# Allegro board reComputer Industrial J201_V1.2.brd (continued)
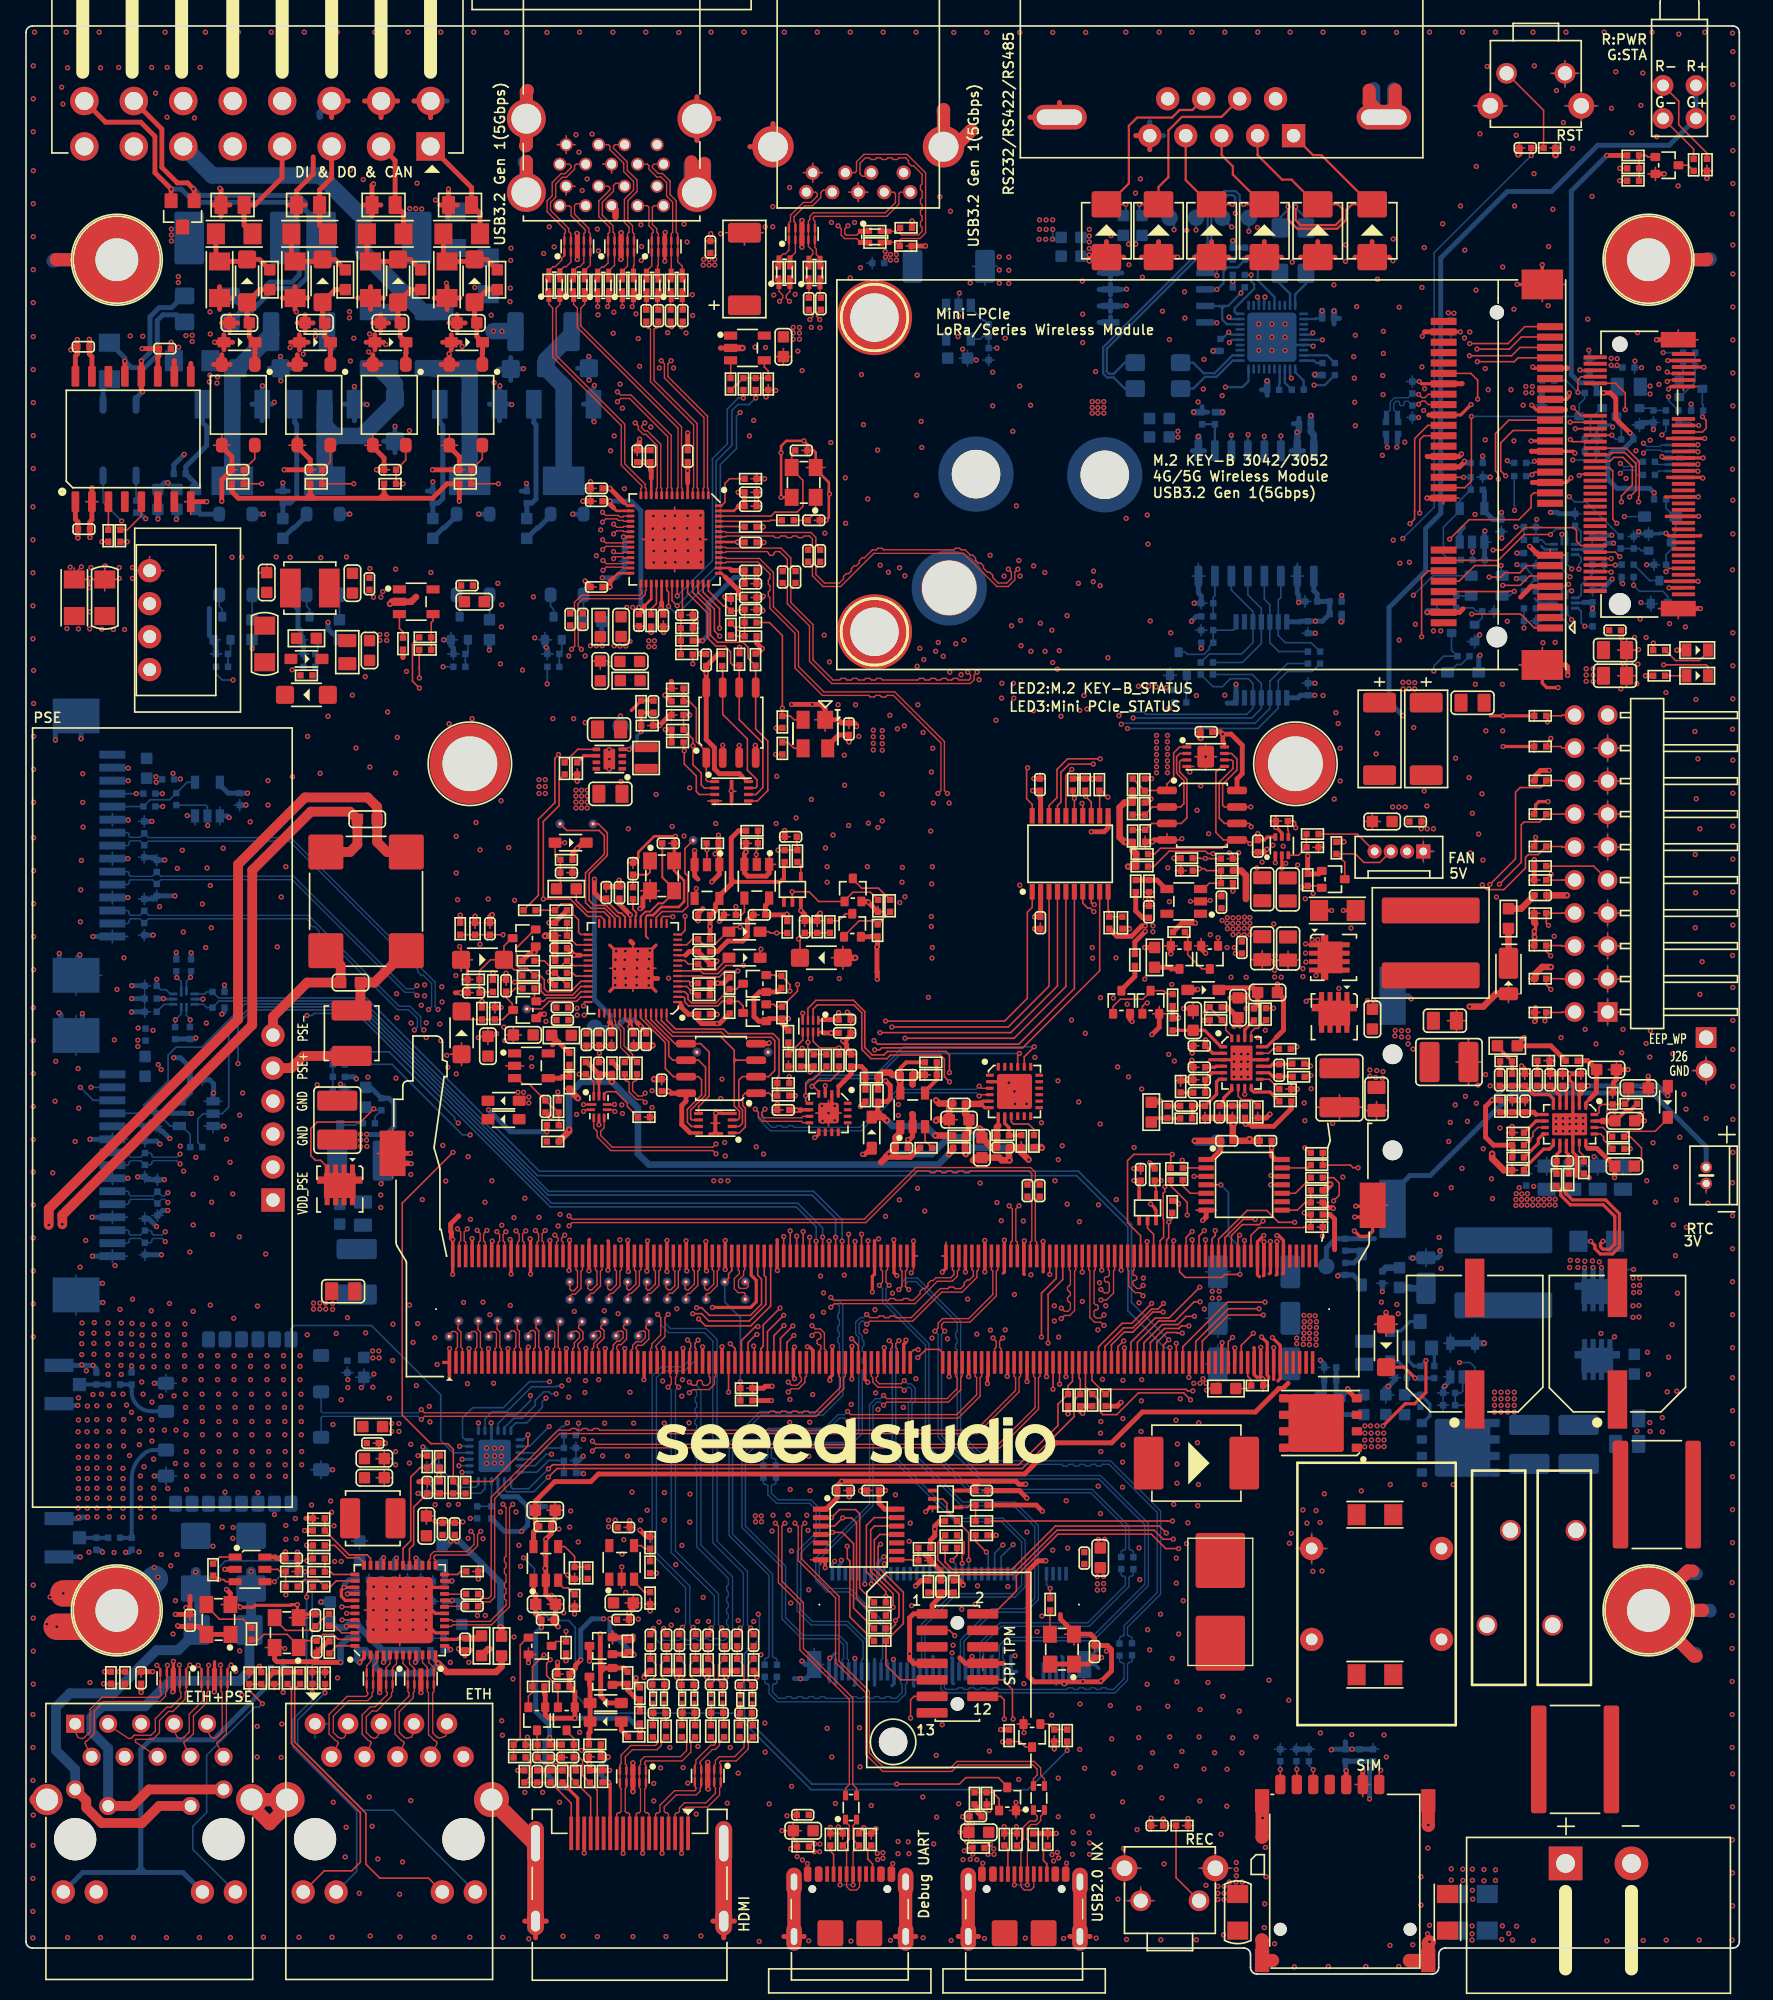
[diagram p0: board, top side]
## Routing (per net, layer and track width the routed paths; a pad name or vN(x,y) marks a point on that pad's centre or on a via; arc(x,y) is an arc through that point) (continued)
  TOP w0.508: C121.2 v1(48.39,68.9) ; C90.2 R125.2 40.01,79.96 v1(39.98,79.93) ; C90.2 40.73,79.01 ; C90.2 v1(40.76,78.51) R129.2 ; R197.2 113.86,61.9 112.96,62.8 v1(112.96,63.16) ; v1(28.05,105.51) 28.21,105.67 U9.2 29.68,105.67 30.05,106.04 ; v1(42.52,67.43) 41.86,68.09 R168.2 ; C67.2 90.47,95.2 v1(90.5,95.17) ; 68.28,66.21 68.31,66.18 U52.2 ; v1(111.23,74.49) 112.27,74.49 113.26,75.48 D34.1 114.49,75.48 ; C81.2 v1(118.72,83.06) ; R415.2 68.31,69.24 C290.2 68.3,68.5 ; J4.16 45.42,135.86 45.42,135.3 ; v1(70.11,65.7) 70.19,65.78 C294.2 71.13,66.73 C295.2 70.36,67.03 v1(70.11,67.28) ; v1(114.96,140.11) 115.05,140.19 C1.2 ; v1(48.27,71.5) C109.2 46.82,71.5 C111.2 ; v1(117.48,77.54) 116.81,77.54 116.3,77.03 116.3,76.64 ; v1(117.83,140.06) 117.84,140.06 D1.1 ; R180.2 91.94,65.92 C134.2 R178.2 92.94,65.58 v1(93.04,65.48) 92.97,65.4 C299.1 94.14,64.16 v1(94.26,64.28) 94.39,64.16 C301.2 ; D32.1 v1(63.88,78.25) ; 116.29,80.89 116.2,80.98 D28.1 ; U5.2 v1(55.21,125.21) ; 72.95,62.66 73.16,62.86 C137.2 74.98,62.86 75.19,62.66 v1(75.77,62.66) 75.74,62.69 C302.2 76.66,63.64 R424.2 76.68,63.27 v1(77.25,62.71)
  GND02 w0.254: J8.1 121.85,75.02 ; J8.1 122.79,74.08 ; J8.1 121.85,73.14 ; J8.1 120.91,74.08 ; J8.3 121.85,77.56 ; J8.3 122.79,76.62 ; J8.3 120.91,76.62 ; J8.3 121.85,75.68 ; U10.1 10.61,108.06 ; U10.1 8.45,108.06 ; U10.1 9.53,109.14 ; J4.7 45.8,139.36 ; J4.7 45.12,140.04 ; J4.7 44.44,139.36 ; J4.7 45.12,138.68 ; 84.9,5.64 SW2.2 ; SW2.2 85.88,6.62 ; SW2.2 86.86,5.64 ; J8.7 122.79,81.7 ; J8.7 121.85,80.76 ; J8.7 121.85,82.64 ; J8.7 120.91,81.7 ; 63.39,137.21 J3.7 ; J3.7 64.85,137.21 ; J3.7 64.12,137.93 ; J3.7 64.12,136.48 ; 121.85,88.38 J8.13 ; J8.13 120.91,89.32 ; J8.13 121.85,90.26 ; J8.13 122.79,89.32 ; 90.45,8.14 SW2.3 ; SW2.3 92.81,8.14 ; SW2.3 91.63,6.97 ; SW2.3 91.63,9.32 ; SW1.4 121,143.86 ; SW1.4 119.82,145.03 ; SW1.4 119.82,142.68 ; SW1.4 118.64,143.86 ; J8.17 122.79,94.4 ; J8.17 121.85,93.46 ; J8.17 120.91,94.4 ; J8.17 121.85,95.34 ; J8.11 122.79,86.78 ; J8.11 121.85,85.84 ; J8.11 120.91,86.78 ; J8.11 121.85,87.72 ; 128.46,69.57 J26.2 ; J26.2 129.44,68.59 ; J26.2 129.44,70.54 ; SW1.2 118.57,147.33 ; SW1.2 118.57,145.38 ; SW1.2 117.59,146.36 ; SW1.2 119.55,146.36 ; 121.85,90.92 J8.15 ; J8.15 120.91,91.86 ; J8.15 121.85,92.8 ; J8.15 122.79,91.86 ; J4.13 42.3,137.66 ; J4.13 41.62,136.98 ; J4.13 40.94,137.66 ; J4.13 41.62,138.34 ; 121.85,78.22 J8.5 ; J8.5 122.79,79.16 ; J8.5 121.85,80.1 ; J8.5 120.91,79.16 ; 129.45,60.24 J12.1 128.82,60.87 ; J7.1 107.65,87.17 ; J7.1 108.38,86.44 ; J7.1 107.65,85.71 ; 84.63,6.97 SW2.4 ; SW2.4 85.81,8.14 ; SW2.4 84.63,9.32 ; 111.64,143.86 SW1.3 ; SW1.3 112.82,142.68 ; SW1.3 112.82,145.03 ; SW1.3 114,143.86 ; 45.12,135.48 J4.16 ; J4.16 45.12,136.84 ; J4.16 45.8,136.16 ; J4.16 44.44,136.16 ; L14.3 99.05,33.84 ; L14.3 97.97,32.77 ; L14.3 100.13,32.77 ; L14.3 99.05,31.69 ; 41.62,140.18 J4.4 ; J4.4 41.62,141.54 ; J4.4 40.94,140.86 ; J4.4 42.3,140.86 ; 60.62,137.98 J3.4 ; J3.4 61.35,138.71 ; J3.4 59.89,138.71 ; J3.4 60.62,139.43
  LAY3 w0.254: J4.13 42.3,137.66 ; J4.13 41.62,138.34 ; J4.13 41.62,136.98 ; J4.13 40.94,137.66 ; 121.85,75.68 J8.3 ; J8.3 121.85,77.56 ; J8.3 120.91,76.62 ; J8.3 122.79,76.62 ; 112.82,142.68 SW1.3 ; SW1.3 114,143.86 ; SW1.3 112.82,145.03 ; SW1.3 111.64,143.86 ; 64.12,136.48 J3.7 ; J3.7 63.39,137.21 ; J3.7 64.12,137.93 ; U10.1 10.61,108.06 ; U10.1 8.45,108.06 ; U10.1 9.53,109.14 ; SW2.4 84.63,9.32 ; SW2.4 85.81,8.14 ; SW2.4 84.63,6.97 ; 120.91,94.4 J8.17 ; J8.17 121.85,95.34 ; J8.17 122.79,94.4 ; J8.17 121.85,93.46 ; J7.1 108.38,86.44 ; J7.1 107.65,85.71 ; J7.1 107.65,87.17 ; J8.5 121.85,80.1 ; J8.5 121.85,78.22 ; J8.5 120.91,79.16 ; J8.5 122.79,79.16 ; 119.82,142.68 SW1.4 ; SW1.4 119.82,145.03 ; SW1.4 118.64,143.86 ; SW1.4 121,143.86 ; 129.45,60.24 J12.1 128.82,60.87 ; 120.91,86.78 J8.11 ; J8.11 121.85,87.72 ; J8.11 122.79,86.78 ; J8.11 121.85,85.84 ; 84.9,5.64 SW2.2 ; SW2.2 86.86,5.64 ; SW2.2 85.88,6.62 ; 121.85,73.14 J8.1 ; J8.1 121.85,75.02 ; J8.1 120.91,74.08 ; J8.1 122.79,74.08 ; 121.85,80.76 J8.7 ; J8.7 122.79,81.7 ; J8.7 121.85,82.64 ; J8.7 120.91,81.7 ; SW2.3 91.63,9.32 ; SW2.3 91.63,6.97 ; SW2.3 92.81,8.14 ; SW2.3 90.45,8.14 ; J3.4 61.35,138.71 ; J3.4 60.62,139.43 ; J3.4 59.89,138.71 ; J3.4 60.62,137.98 ; 128.46,69.57 J26.2 ; J26.2 129.44,70.54 ; J26.2 129.44,68.59 ; 120.91,91.86 J8.15 ; J8.15 121.85,90.92 ; J8.15 121.85,92.8 ; J8.15 122.79,91.86 ; 97.97,32.77 L14.3 ; L14.3 99.05,33.84 ; L14.3 99.05,31.69 ; L14.3 100.13,32.77 ; 117.59,146.36 SW1.2 ; SW1.2 118.57,145.38 ; SW1.2 118.57,147.33 ; SW1.2 119.55,146.36 ; 40.94,140.86 J4.4 ; J4.4 41.62,140.18 ; J4.4 42.3,140.86 ; J4.4 41.62,141.54 ; 121.85,88.38 J8.13 ; J8.13 121.85,90.26 ; J8.13 120.91,89.32 ; J8.13 122.79,89.32
  LAY4 w0.381: 120.78,81.7 J8.7 ; J8.7 121.85,80.63 ; J8.7 122.92,81.7 ; J8.7 121.85,82.76 ; J8.1 122.92,74.08 ; J8.1 121.85,73.01 ; J8.1 121.85,75.14 ; J8.1 120.78,74.08 ; L14.3 99.05,33.97 ; L14.3 97.85,32.77 ; L14.3 100.26,32.77 ; L14.3 99.05,31.56 ; J8.15 121.85,92.92 ; J8.15 121.85,90.79 ; J8.15 122.92,91.86 ; J8.15 120.78,91.86 ; 120.78,76.62 J8.3 ; J8.3 121.85,75.55 ; J8.3 122.92,76.62 ; J8.3 121.85,77.68 ; 129.45,60.11 J12.1 128.69,60.87 ; J8.5 122.92,79.16 ; J8.5 120.78,79.16 ; J8.5 121.85,78.09 ; J8.5 121.85,80.22 ; 117.46,146.36 SW1.2 ; SW1.2 118.57,145.25 ; SW1.2 119.68,146.36 ; J14.1 22.27,20.38 ; J14.1 23.38,19.27 ; J14.1 22.27,18.17 ; J14.1 21.17,19.27 ; SW2.3 92.94,8.14 ; SW2.3 90.32,8.14 ; SW2.3 91.63,9.45 ; SW2.3 91.63,6.84 ; 119.82,142.55 SW1.4 ; SW1.4 119.82,145.16 ; SW1.4 118.51,143.86 ; SW1.4 121.13,143.86 ; J8.11 121.85,87.84 ; J8.11 120.78,86.78 ; J8.11 121.85,85.71 ; J8.11 122.92,86.78 ; J8.13 122.92,89.32 ; J8.13 120.78,89.32 ; J8.13 121.85,90.38 ; J8.13 121.85,88.25 ; J8.17 121.85,95.46 ; J8.17 122.92,94.4 ; J8.17 121.85,93.33 ; J8.17 120.78,94.4 ; 108.51,86.44 J7.1 107.65,87.3 ; SW1.3 114.13,143.86 ; SW1.3 112.82,145.16 ; SW1.3 112.82,142.55 ; SW1.3 111.51,143.86 ; 129.44,68.46 J26.2 ; J26.2 129.44,70.67 ; J26.2 128.34,69.57 ; SW2.4 84.63,9.45 ; SW2.4 84.63,6.84 ; SW2.4 85.94,8.14 ; SW2.2 86.99,5.64 ; SW2.2 85.88,6.75 ; SW2.2 84.77,5.64
  BOTTOM w0.127: 90.11,103.48 R344.2 ; R344.2 90.54,103.05 ; R344.2 90.54,103.91 ; R344.2 90.97,103.48 ; 84.77,5.64 SW2.2 ; SW2.2 85.88,6.75 ; SW2.2 86.99,5.64 ; D82.1 9.59,61.38 ; D82.1 9.16,60.95 ; D82.1 9.16,61.81 ; J8.15 122.92,91.86 ; J8.15 121.85,90.79 ; J8.15 121.85,92.92 ; J8.15 120.78,91.86 ; J23.10 7.84,64.28 ; J23.10 6.66,64.76 ; J23.10 6.66,63.79 ; 123.03,61.52 C233.2 ; C233.2 122.16,62.21 ; C233.2 123.91,62.21 ; C233.2 123.03,62.89 ; R372.2 105.9,45.92 ; R372.2 105.47,46.35 ; R372.2 105.04,45.92 ; 116.77,120.39 C214.2 ; C214.2 117.2,120.82 ; C214.2 116.34,120.82 ; 9.11,79.57 D78.1 ; D78.1 8.68,80 ; D78.1 9.11,80.42 ; 30.91,30.22 C272.2 ; C272.2 31.34,30.65 ; C272.2 31.34,29.79 ; 91.82,45.54 C242.2 ; C242.2 91.82,48.43 ; C242.2 92.77,46.98 ; C242.2 90.88,46.98 ; SW2.4 84.63,9.45 ; SW2.4 85.94,8.14 ; SW2.4 84.63,6.84 ; 100.02,46.28 R369.2 ; R369.2 100.45,46.71 ; R369.2 99.59,46.71 ; D92.1 97.87,17.74 ; D92.1 97.44,17.31 ; D92.1 97.87,16.88 ; 115.9,104.19 C227.2 ; C227.2 116.33,103.76 ; C227.2 116.76,104.19 ; C227.2 116.33,104.62 ; 96.2,17.31 D93.1 ; D93.1 97.06,17.31 ; D93.1 96.63,16.88 ; D93.1 96.63,17.74 ; 3.86,73.78 J23.17 3.86,70.75 ; C238.2 91.82,55.52 ; C238.2 91.82,52.62 ; C238.2 90.88,54.07 ; C238.2 92.77,54.07 ; 121.09,61.52 C234.2 ; C234.2 121.09,62.89 ; C234.2 120.21,62.21 ; C234.2 121.96,62.21 ; C271.2 26.85,30.36 ; C271.2 26.42,29.93 ; C271.2 26.42,30.78 ; C221.2 120.66,111.05 ; C221.2 120.24,110.62 ; C221.2 120.66,110.19 ; J23.4 7.84,58.28 ; J23.4 6.66,58.76 ; J23.4 6.66,57.79 ; 121.85,73.01 J8.1 ; J8.1 120.78,74.08 ; J8.1 122.92,74.08 ; J8.1 121.85,75.14 ; 98.76,98.96 C229.2 ; C229.2 98.76,99.82 ; C229.2 98.33,99.39 ; 24.76,45.87 C243.2 ; C243.2 24.76,46.73 ; C243.2 24.33,46.3 ; C243.2 25.19,46.3 ; 14.64,101.22 R349.2 ; R349.2 14.21,101.64 ; R349.2 15.07,101.64 ; 21.37,101.22 R348.2 ; R348.2 21.8,101.64 ; R348.2 20.94,101.64 ; R319.1 119.78,112.44 ; R319.1 119.35,112.87 ; R319.1 119.35,112.01 ; C269.2 29.82,30.39 ; C269.2 28.96,30.39 ; C269.2 29.39,30.82 ; C269.2 29.39,29.96 ; U44.2 98.42,107.64 ; U44.2 97.47,107.64 ; U44.2 97.95,108.62 ; Q24.2 127.37,123.22 ; Q24.2 127.93,122.72 ; Q24.2 127.37,122.23 ; U44.8 90.33,108.62 ; U44.8 90.8,107.64 ; U44.8 89.85,107.64 ; 13.58,68.43 C297.2 13.58,69.29 ; C280.2 27.87,26.29 ; C280.2 27.44,25.86 ; C280.2 28.3,25.86 ; 26.85,27.05 C275.2 26.43,27.47 ; R383.2 30.88,37.45 ; R383.2 31.31,37.02 ; R383.2 30.88,36.59 ; 13.03,88.49 U55.3 12.53,89.17 ; C208.2 123.93,124.13 ; C208.2 124.35,123.7 ; C208.2 123.93,123.27 ; 29.98,30.39 C268.2 ; C268.2 30.41,30.82 ; C268.2 30.84,30.39 ; C268.2 30.41,29.96 ; 24.57,68.19 24.57,68.55 ; 10.79,37.67 U50.1 ; U50.1 10.79,39.03 ; U50.1 11.59,38.35 ; 125.38,119.9 R297.2 125.81,119.47 ; C244.2 26.65,45.95 ; C244.2 26.03,45.33 ; C244.2 26.03,46.57 ; C244.2 25.41,45.95 ; R381.2 30.88,39.48 ; R381.2 31.31,39.05 ; R381.2 30.45,39.05 ; R381.2 30.88,38.62 ; 8.68,82.78 D77.1 ; D77.1 9.11,83.21 ; D77.1 9.11,82.35 ; 27.96,30.39 C270.2 ; C270.2 28.38,29.96 ; C270.2 28.81,30.39 ; R305.2 121.44,118.19 ; R305.2 120.59,118.19 ; R305.2 121.01,117.77 ; 32.74,103.3 Q40.2 33.24,102.74 ; 91.82,49.04 C240.2 ; C240.2 92.77,50.49 ; C240.2 91.82,51.94 ; C240.2 90.88,50.49 ; 14.95,102.74 Q42.2 14.46,102.18 ; Q25.2 124.87,119.27 ; Q25.2 124.31,119.77 ; Q25.2 124.31,118.78 ; Q25.2 123.75,119.27 ; C266.2 26.33,33.33 ; C266.2 25.71,32.71 ; C266.2 25.08,33.33 ; C266.2 25.71,33.95 ; 80.7,23.3 J21.75 80.38,24.18 ; J20.16 3.86,78.42 ; J20.16 5.84,76.9 ; J20.16 3.86,75.38 ; SW1.2 119.68,146.36 ; SW1.2 117.46,146.36 ; SW1.2 118.57,145.25 ; v1(27.36,60.85) 27.48,60.98 L34.1 29.42,62.63 29.65,62.4 v1(29.67,62.4) ; 72.54,123.8 C207.2 ; C207.2 73.16,124.43 ; C207.2 72.54,125.05 ; C207.2 71.92,124.43 ; 120.26,106.55 C224.2 ; C224.2 120.69,106.98 ; C224.2 120.69,106.12 ; 26.43,28.91 C273.2 ; C273.2 26.43,29.77 ; C273.2 26.86,29.34 ; Q49.2 25.37,67.15 ; Q49.2 24.87,66.59 ; Q49.2 24.38,67.15 ; U49.4 109.73,49.26 ; U49.4 109.73,47.89 ; U49.4 109.24,48.57 ; 6.66,83.37 J20.4 6.66,82.4 ; 111.61,102.1 Q48.2 111.05,102.6 ; J8.5 121.85,80.22 ; J8.5 120.78,79.16 ; J8.5 121.85,78.09 ; J8.5 122.92,79.16 ; 113.12,104.49 R388.1 ; R388.1 112.69,104.92 ; R388.1 113.12,105.35 ; R388.1 113.54,104.92 ; 41.94,40.51 C305.2 ; C305.2 42.37,40.94 ; C305.2 42.37,40.08 ; C305.2 42.8,40.51 ; Q38.2 125.67,105.52 ; Q38.2 124.68,105.52 ; Q38.2 125.18,104.96 ; Q38.2 125.18,106.08 ; 121.59,108.1 R330.1 ; R330.1 121.17,108.53 ; R330.1 121.59,108.96 ; C236.2 117.15,62.89 ; C236.2 117.15,61.52 ; C236.2 116.28,62.21 ; C236.2 118.03,62.21 ; C223.2 116.33,108.85 ; C223.2 116.76,108.43 ; C223.2 115.9,108.43 ; J8.11 121.85,87.84 ; J8.11 122.92,86.78 ; J8.11 120.78,86.78 ; J8.11 121.85,85.71 ; C204.2 74.83,131.49 ; C204.2 72.95,131.49 ; C204.2 73.89,130.04 ; 45.7,108.78 C220.2 46.56,108.78 ; SW1.3 112.82,145.16 ; SW1.3 114.13,143.86 ; SW1.3 112.82,142.55 ; SW1.3 111.51,143.86 ; 90.32,8.14 SW2.3 ; SW2.3 91.63,6.84 ; SW2.3 92.94,8.14 ; SW2.3 91.63,9.45 ; C249.2 109.61,44.74 ; C249.2 108.75,44.74 ; C249.2 109.18,44.31 ; 125.01,110.4 Q33.2 125.01,111.39 ; 6.66,61.76 J23.7 6.66,60.79 ; 9.16,57.74 D85.1 ; D85.1 9.16,58.6 ; D85.1 8.73,58.17 ; 27.37,29.98 C267.2 ; C267.2 26.94,30.41 ; C267.2 27.8,30.41 ; R378.2 109.6,43.8 ; R378.2 109.18,43.37 ; R378.2 109.18,44.23 ; R378.2 108.75,43.8 ; 24.99,68.12 R408.2 24.14,68.12 ; 10.79,44.81 U50.4 ; U50.4 11.59,45.49 ; U50.4 10.79,46.17 ; 8.73,55.38 D86.1 ; D86.1 9.16,55.81 ; D86.1 9.16,54.95 ; 39.58,35.57 C260.2 ; C260.2 39.15,36 ; C260.2 39.58,36.42 ; R326.2 124.29,110.69 ; R326.2 123.86,111.12 ; R326.2 123.86,110.26 ; R326.2 123.44,110.69 ; Q39.2 39.98,103.3 ; Q39.2 39.49,102.74 ; Q39.2 40.48,102.74 ; 14.41,64.8 U56.3 13.72,65.29 ; R360.2 9.58,76.1 ; R360.2 9.15,75.67 ; R360.2 9.15,76.53 ; Q41.2 21.68,102.74 ; Q41.2 21.19,102.18 ; Q41.2 20.69,102.74 ; J8.3 121.85,77.68 ; J8.3 122.92,76.62 ; J8.3 121.85,75.55 ; J8.3 120.78,76.62 ; 120.78,89.32 J8.13 ; J8.13 122.92,89.32 ; J8.13 121.85,88.25 ; J8.13 121.85,90.38 ; D81.1 9.16,64.57 ; D81.1 8.73,64.14 ; D81.1 9.16,63.71 ; 32.18,26.28 C282.2 31.75,25.85 ; 71.84,127.8 U41.2 71.84,129.17 ; C279.2 30.15,26.29 ; C279.2 29.73,25.86 ; C279.2 30.58,25.86 ; D91.1 99.27,17.31 ; D91.1 98.84,17.74 ; D91.1 98.84,16.88 ; 31.34,28.27 C274.2 ; C274.2 30.91,28.7 ; C274.2 31.77,28.7 ; C274.2 31.34,29.13 ; C218.2 112.23,115.69 ; C218.2 111.8,115.26 ; C218.2 112.23,114.83 ; 115.15,61.63 C237.2 ; C237.2 115.58,62.06 ; C237.2 116.01,61.63 ; 107.86,54.47 D88.1 107.86,55.83 ; 10.07,85.35 D75.1 ; D75.1 10.07,86.21 ; D75.1 9.65,85.78 ; 8.68,85.99 D74.1 ; D74.1 9.11,85.56 ; D74.1 9.11,86.42 ; 9.15,73.66 R363.2 ; R363.2 9.58,74.09 ; R363.2 9.15,74.52 ; 23.38,19.27 J14.1 22.27,18.17 ; 111.95,108.89 R316.2 ; R316.2 112.38,108.46 ; R316.2 112.8,108.89 ; 125.43,108.09 C222.2 ; C222.2 125.43,108.94 ; C222.2 125.86,108.51 ; 121.85,93.33 J8.17 ; J8.17 122.92,94.4 ; J8.17 121.85,95.46 ; J8.17 120.78,94.4 ; R347.2 33.36,101.64 ; R347.2 32.5,101.64 ; R347.2 32.93,101.22 ; 65.2,131.32 C203.2 ; C203.2 64.77,131.74 ; C203.2 65.2,132.17 ; 40.17,101.22 R346.2 ; R346.2 40.6,101.64 ; R346.2 39.74,101.64 ; D73.1 9.11,89.18 ; D73.1 8.68,88.75 ; D73.1 9.11,88.32 ; C225.2 98.98,105.69 ; C225.2 98.55,105.26 ; C225.2 98.55,106.12 ; R289.2 74.16,124.7 ; R289.2 73.73,124.27 ; R289.2 74.59,124.27 ; R289.2 74.16,123.84 ; 120.45,123.88 R291.2 ; R291.2 120.02,124.31 ; R291.2 120.88,124.31 ; J20.1 6.66,80.37 ; J20.1 7.84,79.89 ; J20.1 6.66,79.4 ; C235.2 119.13,62.89 ; C235.2 120.01,62.21 ; C235.2 119.13,61.52 ; C235.2 118.26,62.21 ; 105.39,44.6 C251.2 104.76,43.98 ; 127.67,123.38 R292.2 ; R292.2 127.24,123.81 ; R292.2 128.09,123.81 ; R292.2 127.67,124.24 ; 61.88,22.42 J21.1 61.56,23.3 ; 121.85,80.63 J8.7 ; J8.7 120.78,81.7 ; J8.7 121.85,82.76 ; J8.7 122.92,81.7 ; L14.3 100.26,32.77 ; L14.3 99.05,31.56 ; L14.3 99.05,33.97 ; L14.3 97.85,32.77 ; C296.2 16.47,90.43 ; C296.2 16.04,90 ; C296.2 16.47,89.58 ; J7.1 108.51,86.44 ; J7.1 107.65,87.3 ; J7.1 107.65,85.59 ; 112.36,109.57 U53.1 112.86,110.26 ; 10.07,82.59 D76.1 ; D76.1 9.65,83.02 ; D76.1 10.07,83.45 ; 88.14,99.44 Q52.2 ; Q52.2 88.63,100 ; Q52.2 88.14,100.56 ; Q52.2 87.64,100 ; 9.15,74.68 C231.2 9.15,75.54 ; SW1.4 121.13,143.86 ; SW1.4 119.82,142.55 ; SW1.4 118.51,143.86 ; SW1.4 119.82,145.16 ; 9.59,66.28 D79.1 10.02,66.7 ; 61.46,23.83 J21.76 60.73,25.05 ; 128.34,69.57 J26.2 ; J26.2 129.44,68.46 ; J26.2 129.44,70.67 ; 116.33,111 C219.2 ; C219.2 115.9,111.43 ; C219.2 116.33,111.85 ; C219.2 116.76,111.43 ; 104.93,53.19 C239.2 104.07,53.19 ; 9.7,58.41 D84.1 ; D84.1 10.55,58.41 ; D84.1 10.13,57.98 ; D84.1 10.13,58.83 ; 128.69,60.87 J12.1 129.45,60.11 ; 6.66,85.4 J20.7 6.66,86.37 ; 98.76,103.67 C228.2 98.33,103.24 ; 109.78,126 C206.2 110.21,126.43 ; 10.13,60.74 D83.1 10.13,61.6 ; J23.1 6.66,55.76 ; J23.1 7.84,55.28 ; J23.1 6.66,54.79 ; 14.93,88.49 U55.1 14.93,89.86 ; D66.1 106.81,120.28 ; D66.1 106.38,119.85 ; D66.1 106.81,119.42 ; 6.66,89.37 J20.10 6.66,88.4 ; 41.94,39.53 R379.2 ; R379.2 42.37,39.96 ; R379.2 42.37,39.1 ; U50.14 22.74,39.51 ; U50.14 22.74,38.15 ; U50.14 21.93,38.83 ; 121.44,118.78 Q26.2 121.44,119.77 ; D65.1 106.8,123.05 ; D65.1 106.8,122.2 ; D65.1 106.38,122.62 ; 113.24,111.06 C293.2 ; C293.2 113.67,111.49 ; C293.2 114.1,111.06 ; 109.73,46.67 U49.3 109.24,45.98 ; 10.45,65.29 D80.1 10.02,64.86 ; 104.21,17.31 C285.2 103.78,17.74 ; 90.97,105.55 R335.1 90.54,105.13 ; C278.2 31.6,25.86 ; C278.2 31.17,26.29 ; C278.2 30.74,25.86 ; 3.86,50.77 J23.16 3.86,53.8 ; 109.12,104.93 C226.1 108.69,105.36 ; 15.09,67.2 U56.1 13.72,67.2 ; 81.53,22.61 J21.77 80.8,23.83 ; 111.64,49.26 U49.5 111.64,47.89 ; 104.76,45.04 104.76,45.22 ; 111.61,102.73 111.61,103.09
  BOTTOM w0.203: v1(35.84,42.44) 35.86,42.42 U51.9 35.86,41.15 36.1,40.91 v1(36.1,40.48) ; U46.4 116.71,105.57 116.65,105.63 116.52,105.63 116.23,105.91 ; 116.74,109.95 117,109.69 U45.4 ; D72.1 v1(10.53,89.9) ; U48.4 v1(13.63,75.07) ; D71.1 v1(10.51,90.89)
  BOTTOM w0.254: 79.38,22.31 J21.71 79.38,24.37 79.39,24.38 ; 82.87,25.29 81.53,23.95 J21.77 82.33,23.83 82.64,23.52 ; 62.38,24.23 J21.3 62.38,22.35 62.37,22.35 ; v1(126.34,110.94) 125.89,110.94 125.84,110.9 Q33.2 124.07,110.9 R326.2 ; v1(120.4,125.04) 120.45,124.99 R291.2 ; 128.15,116.78 128.1,116.73 U43.8 U43.3 126.17,116.73 126.06,116.83 v1(126.04,116.83) ; J21.1 61.88,24.24 62.35,24.71 ; 65.38,24.23 J21.15 65.38,22.25 65.37,22.25 ; 76.33,23.29 76.32,23.3 J21.57 ; 72.89,24.28 72.88,24.27 J21.45 72.88,22.43 72.96,22.35 72.99,22.35 ; J21.57 75.88,22.4 ; J21.57 75.88,24.48 76.02,24.48 76.05,24.51 v1(76.2,24.51) ; 63.79,22.22 63.88,22.3 J21.9 63.88,24.23 ; 68.42,22.17 68.38,22.21 J21.27 68.38,24.23 ; C222.2 v1(124.86,108.51) ; 66.88,24.23 J21.21 66.88,22.36 66.71,22.19 ; D65.1 v1(107.34,122.62) ; R305.2 121.01,118.85 121.05,118.88 121.05,118.95 121.38,119.27 Q26.2 122.08,119.27 v1(122.23,119.12) ; 71.31,24.35 71.38,24.29 J21.39 71.38,22.43 71.46,22.35 ; D66.1 v1(107.29,119.85) ; 69.88,22.36 J21.33 69.88,24.44 69.86,24.46 ; 79.8,24.46 79.88,24.37 J21.73 79.88,22.3 80.12,22.3 80.38,22.56 J21.75 ; 74.38,22.39 J21.51 74.38,24.4 74.46,24.48
  BOTTOM w0.381: v1(2.26,95.02) 2.26,95.73 3.42,96.88 3.63,96.88 ; D77.1 9.84,82.78 D76.1 v1(11.48,83.02) ; R346.2 40.17,102.07 v1(40.09,102.15) 39.98,102.26 Q39.2 ; 106.8,55.15 106.67,55.15 ; 106.8,55.15 v1(106.84,55.11) ; 106.8,55.15 D88.1 108.76,55.15 108.94,55.33 v1(108.94,55.7) ; C285.2 C286.2 v1(102.16,17.31) D90.1 ; 20.37,106.78 20.37,105.66 20.96,105.07 20.96,103.66 21.19,103.43 Q41.2 21.37,102.55 R348.2 ; U50.1 v1(9.89,38.35) ; J20.17 3.63,96.88 ; 3.63,96.88 4.25,96.26 v1(4.25,95.12) ; v1(7.85,82.89) J20.4 6.4,82.89 ; C245.2 v1(8.14,46.82) ; 3.86,52.29 3.6,52.29 ; 3.86,52.29 4.75,53.18 v1(5.9,53.18) ; 3.86,52.29 J23.16 4.13,52.29 4.7,51.71 v1(5.92,51.71) ; v1(10.92,58.79) 10.52,58.79 D84.1 ; R316.2 112.38,110.24 U53.1 112.36,111.08 v1(112.4,111.12) ; v1(30.2,37) 30.22,37.02 R383.2 ; C297.2 14.14,68.86 14.46,68.54 v1(14.46,67.84) 14.41,67.79 U56.1 ; 59.76,81.82 v1(59.7,81.89) ; C260.2 40.05,36 40.06,35.99 ; C263.1 5.5,32.59 5.79,32.59 v1(5.9,32.48) ; R319.1 118.07,112.44 117.97,112.54 v1(117.45,112.54) ; v1(15.24,65.27) 15.22,65.29 U56.3 ; v1(4.75,35.17) 4.23,35.17 4.13,35.07 J25.3 1.78,35.07 ; D86.1 v1(10.43,55.38) ; R349.2 14.64,102.55 Q42.2 14.46,102.76 14.13,103.09 14.13,105.15 ; C218.2 v1(112.81,115.26) ; v1(106.72,75.09) 106.49,75.32 J22.1 105.29,75.31 104.7,74.72 104.07,74.72 v1(103.81,74.98) ; R347.2 32.93,102.1 32.74,102.28 Q40.2 32.19,102.74 v1(32.19,102.74) ; v1(24.24,68.52) 24.57,68.19 R408.2 24.57,67.46 Q49.2 ; v1(7.85,85.89) J20.7 6.4,85.89 ; D73.1 v1(9.7,88.75) ; v1(8.6,61.38) D82.1 9.37,61.17 D83.1 v1(10.66,61.17) ; 109.18,45.14 v1(109.31,45.27) 109.73,45.69 U49.3 ; 110.75,111.4 110.46,111.11 U53.3 ; v1(44.4,107.51) 45.43,107.51 46.13,108.21 C220.2 ; D92.1 D91.1 ; R372.2 105.47,45.75 v1(104.97,45.25) ; v1(10.06,57.55) 9.44,58.17 D85.1 ; 6.4,64.28 v1(4.93,64.28) ; D90.1 101.66,17.85 101.63,17.88 ; D90.1 100.61,17.31 v1(100.56,17.27) ; U55.1 15.53,89.17 v1(15.65,89.05) ; Q48.2 111.61,102.73 v1(111.99,103.12) ; C221.2 121.48,110.62 121.66,110.79 v1(122.18,110.79) ; v1(11.08,64.33) 10.52,64.9 10.41,64.9 D80.1 ; v1(7.88,88.84) 7.83,88.89 J20.10 6.4,88.89 ; R379.2 42.58,39.53 v1(42.93,39.87) ; 19.79,24.1 19.8,24.09 C183.2 ; C225.2 98.13,105.69 v1(98.05,105.61) 98.05,106.19 97.95,106.29 U44.2 ; 6.4,61.28 J23.7 v1(7.85,61.28) ; U44.8 90.33,106.34 90.54,106.12 R335.1 v1(90,105.55) ; v1(59.78,24.1) 60.05,23.83 J21.76 60.73,23.37 60.11,22.75 59.2,22.75 ; U50.4 v1(9.89,45.49) ; Q43.1 v1(120.08,54.39) ; C293.2 113.67,110.59 v1(113.69,110.56) ; v1(12.75,66.26) 12.23,66.26 12.21,66.29 11.8,66.29 11.79,66.28 D79.1 ; D81.1 10.08,64.14 v1(10.32,63.9) ; Q43.2 v1(120.73,54.4) ; C183.2 19.8,23.19 19.71,23.11 ; C183.2 20.22,23.57 ; C246.2 5.42,46.61 v1(5.17,46.87) 5.17,46.87 J24.3 1.78,46.87 ; C239.2 v1(104.5,52.55) ; C262.1 7.94,32.46 v1(7.67,32.46) ; 1.78,43.92 J24.2 3.24,43.92 3.37,43.78 v1(3.99,43.78) ; D74.1 9.87,85.99 D75.1 v1(10.69,85.78) ; Q25.2 124.51,119.47 R297.2 v1(125.38,118.92) ; v1(8.13,74.06) 8.16,74.09 R363.2 ; v1(4.35,73.96) 4.35,72.74 3.87,72.27 J23.17 3.25,72.27 2.7,72.82 2.7,73.86 v1(2.54,74.01) ; v1(16.95,90.01) 16.94,90 C296.2 ; C229.2 v1(99.31,99.39) ; U50.14 v1(23.62,38.83) ; 92.54,97.86 92.99,97.86 93.23,98.1 U47.7 v1(93.23,99.31) ; C231.2 v1(8.14,75.11) ; R360.2 v1(8.15,76.1) ; 6.4,55.28 v1(5.12,55.28) ; v1(122.2,107.41) 121.54,106.75 121.54,106.55 C224.2 ; v1(2.57,78.58) 2.57,77.31 2.98,76.9 3.65,76.9 4.14,77.39 v1(4.14,78.48) ; v1(99.72,47.26) 100.02,46.97 R369.2 ; C228.2 v1(99.34,103.24) ; 6.4,58.28 v1(5.1,58.28) ; v1(4.18,32.12) J25.2 1.78,32.12 ; D78.1 v1(9.79,80) ; 6.4,79.89 v1(5.16,79.89) ; Q43.3 v1(121.38,54.4)
  BOTTOM w0.508: v1(112.34,48.57) U49.5 U49.4 ; v1(24.24,24) 24.24,25.29 24.8,25.86 C281.2 ; C226.1 108.04,104.93 v1(107.96,104.85) ; C251.2 104.76,45.04 v1(104.97,45.25)